# Allegro board FEMA_B40_V0P2.brd (continued)
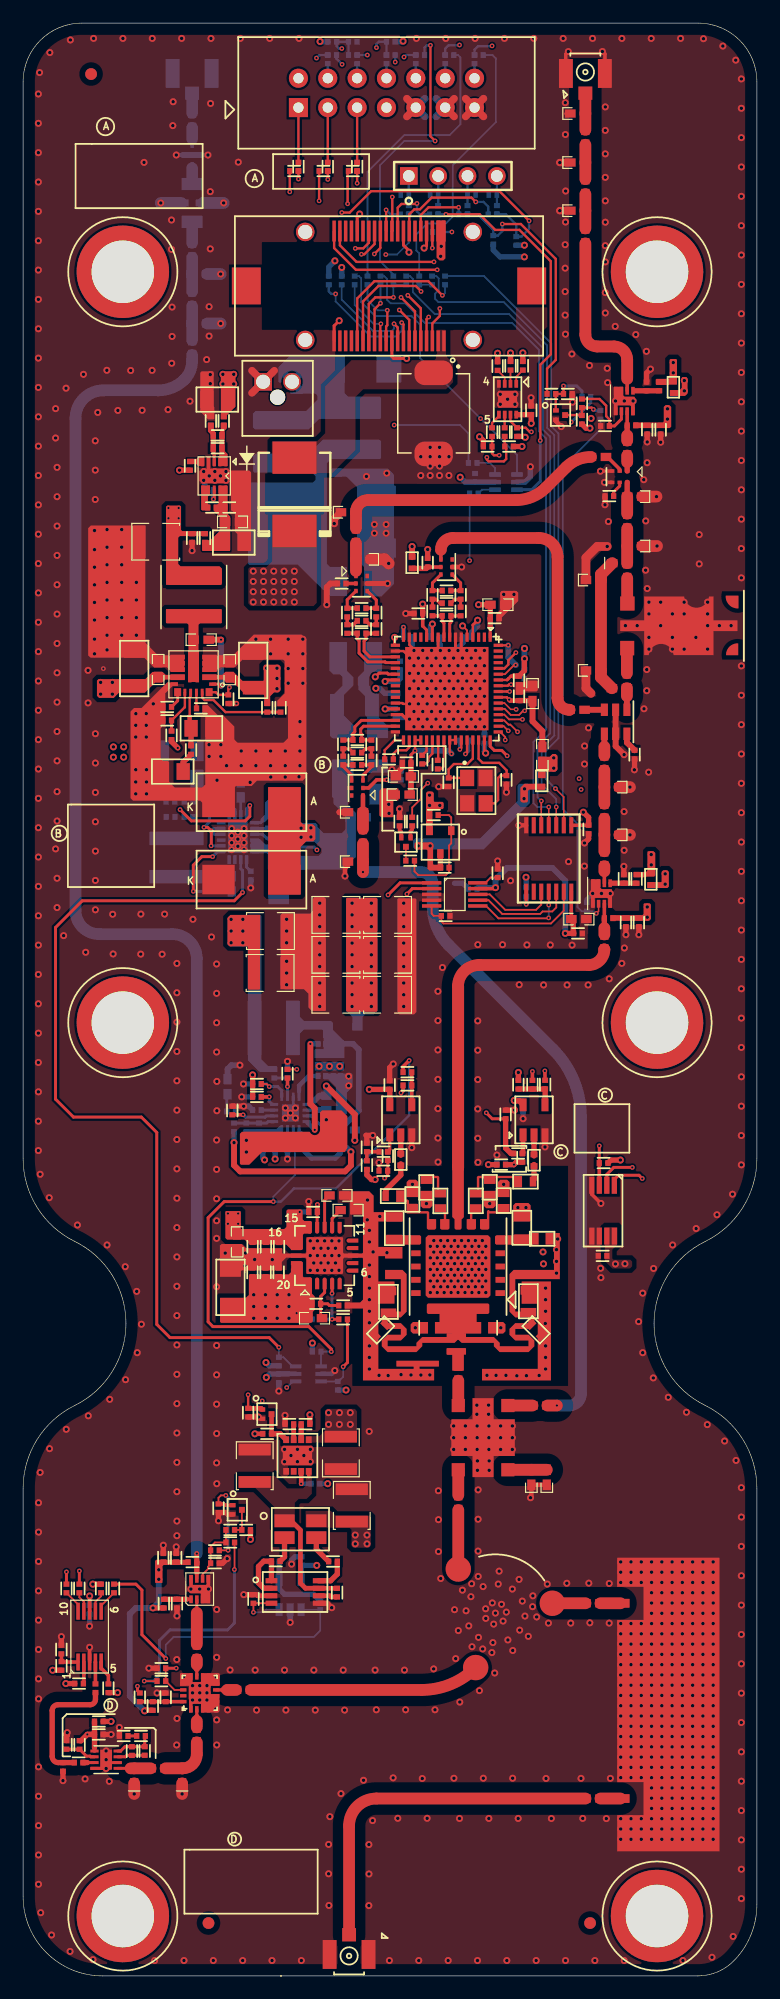
[diagram p0: board, top side]
## Placement (name value [footprint] x y rotation side) (continued)
U70  -  [BLM9D2327-26B]  37.64 61.39 180 top
U71  FPF2702MPX  [MLP3X3]  23.74 45.03 180 top
U72  LTC6102IMS8PBF  [MSOP_8N]  23.54 33.22 270 top
U73  OPA320AIDBVT  [SOT23_5N]  23.11 32.99 180 bottom
U74  AD5663RBRMZ-5  [10_LEAD_MSOP]  37.35 93.6 0 top
U78  ADS1015IDGST  [ADS1015IDGSR_0]  5.76 29.36 90 top
U79  M24128-DRMF3TG/K  [M24128_DRMF3TG_K]  41.93 136.45 270 top
U80  SN74LVC1G11DCK  [SOT65P210X110-6N]  24.68 52.1 180 bottom
U82  LM75AIMM/NOPB  [VSSOP_8N]  50.19 66.22 270 top
U84  MAX3379EEUD+  [TSSOP_14N]  45.49 96.7 270 top
U85  TS5A3166DBVR  [SOT23_5N]  44.21 74.09 0 top
U86  TS5A3166DBVR  [SOT23_5N]  32.68 74.09 0 top
U87  NC7WZ04P6X  [SC70_0P65P_6N]  41.79 129.28 180 bottom
U88  ADL5903  [SON50P200X200X60_9N]  7.18 18.71 180 top
U89  BFCN-2360+  [BFCN-2360]  14.63 153.43 90 bottom
ZD1  SMBJ18A  [DO-214AA]  29.2 139.04 180 bottom

## Library data of the parts
C11 C15 C16 C23 C26 = CAP_22uF_25V_1206_X6S
C13 C21 C22 C27 = CAP_0.1uF_50V_0603_X7R
C14 C17 C44 C49 C53 C60 C68 C89 C91 C128 C151 C166-C169 C178 C179 C249 C250 C257 = CAP_0.10uF_16V_0402_X7R
C18 C41 C42 C148 C155 C157 = CAP_4.7uF_25V_0603_X6S
C19 C52 = CAP_15000pF_50V_0603_X7R
C20 C54 C55 C57-C59 C61 C63-C67 C69 C77 C78 C80 C81 C104 C109 C122-C127 C278 = CAP_100pF_50V_0402_C0G
C28 = CAP_1500pF_50V_0402_X7R
C29-C40 C45-C48 C160-C162 = CAP_10uF_50V_1210_X7R
C43 = CAP_0.22uF_50V_0603_X7R
C50 = CAP_220pF_50V_0402_C0G
C51 = CAP_47000pF_25V_0402_X7R
C56 C62 C90 C101 C121 C131 = CAP_1uF_25V_0402_X6S
C70 C72 C86 C87 = CAP_10UF_35V_0805
C71 C88 = CAP_9.1pF_0603
C73 C74 C83 C85 = CAP_1UF_25V_0603
C75 C84 = CAP_1.8pF_0603
C76 = CAP_1.6pF_250V0603
C82 = CAP_0.5pF_0603
C129 C130 C132 C135 C145-C147 C149 C150 C152-C154 C156 C158 C159 = CAP_1000pF_50V_0402_X7R
C133 C134 C136 C142 = CAP_0.5pF_50V_0402
C137 = CAP_0.2pF_50V_0402_C0G
C138 C139 C143 = CAP_15pF_50V_0402_C0G
C140 C144 = CAP_8.2pF_50V_0402_C0G
C141 = CAP_0.9pF_50V-0402
C180 = CAP_2.2pF_0603_250V
C222 C223 = CAP_4.7UF_25V_1206
C224-C226 = CAP_0.1uF_0603_25V
C227 = CAP_47UF_1210
C228 = CAP_8.2nF_0402
C229 = CAP_18PF_0805
C230 = CAP_33nF_0805
C231 C241 = CAP_CER_10UF_0603_0
C232-C234 C236-C238 = CAP_CER_4.1uF_0402_25V
C235 C240 = CAP_CER_10nF_0603_16V
C239 = CAP_CER_22UF_16V_10%_X6S_0
C242-C248 = CAP NP
C255 C256 = CAP_100uF_25V_2917
C258-C262 = CAP_CER_100PF_0402_25V
C277 = CAP_CER_33pF_50V_5%_X7R_0402
CON2-CON4 = UFLR_0
D1 = STPS1045B_0
D2 = DIODE_40V_0
D3 = DIODE_40V_120mA
D4 = SESD0402X1BN-0010-098
D5 = CLA4606-085LF
D6 = BZX84C3V0/SOT_3
D11-D15 = SMDJ36CA
F1 F2 = MINISMDC260F/16-2
FB4 FB5 = FB_120E_6A_1206
FB6-FB10 FB14 FB15 = FB_33E_0402_3A
FB11 FB12 = FB_120E_0603_2A
FL1 = USB040C
J1 = FX23L-40-S-0.5SV10
J2 = 1053091102
J3 = 10056844-114LF
J4 = 87224-4
L2 = IND_3.3UH_8.1A_TBD
L4 = IND_5.6UH_7.2A_TBD
L5 L6 L11 = IND_18nH_400mA_0402
L7 = IND_22nH_350mA_0402
L8 L12 = IND_2.2nH_900mA_0402
L9 L13 = IND_5.6nH_650mA_0402
L10 = IND_8.2nH_550mA_0402
L14 L16 = IND_1.2nH_1A_0402
L15 = IND_5.6UH_TBD
L22 = ACM70V-701-2PL-TL00
L30 = IND_3.3nH_800ma_0402
MH1-MH6 = M_HOLE
Q1 = FDMC8030
Q2 Q3 Q5 Q6 = RYM002N05T2CL
Q4 = SI2333DS-T1-E3
R10 R12 R16 R18 R19 R24-R27 R34 R36 R37 R39 R40 R43-R52 R74 R76-R80 R85 R86 R88 R96 R99 R101-R103 R105-R107 R110-R118 R120-R122 R130 R133 R156 R185-R191 R238-R242 R246-R249 R254 R255 R257-R263 R270 R275-R278 R302 R304 R305 R353-R365 = RES_0E_0402_63mW
R13 = RES_115K_63mW_0402
R14 = RES_56K-63mW_0402
R15 = RES_634K_63mW_0402
R17 R42 R159 = RES_5.1K_0402_63mW
R20 R41 R63-R69 R72 R73 R95 R98 R104 R108 R131 R139 R256 R264 R266-R269 R271-R274 R295 R297 R352 = RES_10K_0402_63mW
R21-R23 R97 R123 R124 = RES_100K_0402_63mW
R28 R30 R33 = RES_8.2K_0402_63mW
R29 = RES_1M_Ohm_0402_63mW
R31 = RES_200K_63mW_0402
R32 = RES_12.7K_63mW_0402
R35 R53 = RES_49.9E_0402_63mW
R38 R100 R119 R350 R351 = RES_1.1K_0402_63mW
R54 = RES_0E_0603
R55 = RES_820E_0603
R56 R57 = RES_5.1E_0603
R58 R59 = RES_100E_0603_0.1W
R60 R279-R283 = RESISTOR
R62 = RES_10E_0603
R70 R71 = RES_4.7K_0402_63mW
R84 R284 = RES_0ohm_0402_63mW
R109 = RES_12.4K_0402_63mW
R125 = RES_50m_ohm_CS
R126 R127 = RES_30.1E_0402_63mW
R128 = RES_270K_0402_63mW
R129 = RES_470E_0402_63mW
R132 = RES_910E_0402_63mW
R208 = RES_84.5K_0402
R209 = RES_49.9K_0402
R210 R219 = RES_100K_0402_0
R211 = RES_11K_0402
R212 = RES_90.9K_0402
R213 = RES_6-04K_0402
R214 = RES_2.67K_0402
R215 = RES_29.4K_0402_0.063W
R216 = RES_105K_0402_0.063W
R217 = RES_10K_0402_10
R218 = RES_20K_0402_0
R220 = RES_0ohm_0402_2
R296 R298 = RES_10E_0402_63mW
R306-R308 = RES_100ohm_0402_63mW
R309 = RES_442ohm_0402_63mW
T1-T3 = BD2040J50100A00
U1 = LTC3786EUD#PBF
U3 = JCM2300T2400S6R
U4 = X3C19P2-30S
U10 = TPS7A9101DSKR_3
U13 = LTC3626IUDC#PBF
U19 = SC1894A-00C13
U21 U28 U60 = TQL9092
U22 = PE42823
U27 = NX3225SA-20.000M-STD-CRS-2
U29 = DC2337J5010AHF
U30 = XDL15-3-030S
U32 = BDCN-7-25+
U47 = TPS54424RNVR
U48 = TPS7A8300_0
U70 = BLM9D2327-26B
U71 = FPF2702MPX
U72 = LTC6102IMS8#PBF
U73 = OPA320AIDBVT
U74 = AD5663RBRMZ-5_0
U78 = ADS1015IDGSR_0
U79 = M24128-DRMF3TG/K
U80 = SN74LVC1G11DCK
U82 = LM75AIMM/NOPB
U84 = MAX3379EEUD+
U85 U86 = TS5A3166
U87 = NC7WZ04P6X
U88 = ADL5903
U89 = BFCN-2360+
ZD1 = SMBJ18A_1

## Footprints (pads in the part's own frame, mm; a bottom-side part is the same pattern mirrored in y, then rotated)
10_LEAD_MSOP
  rect 1.675x0.3 smd: 1(-1.995,1) 2(-1.995,0.5) 3(-1.995,0) 4(-1.995,-0.5) 5(-1.995,-1) 6(1.995,-1) 7(1.995,-0.5) 8(1.995,0) 9(1.995,0.5) 10(1.995,1)
21-0765A_K6499MK1B
  rect 0.8x0.28 smd: 1(-4.45,3.75) 2(-4.45,3.25) 3(-4.45,2.75) 4(-4.45,2.25) 5(-4.45,1.75) 6(-4.45,1.25) 7(-4.45,0.75) 8(-4.45,0.25) 9(-4.45,-0.25) 10(-4.45,-0.75) 11(-4.45,-1.25) 12(-4.45,-1.75) 13(-4.45,-2.25) 14(-4.45,-2.75) 15(-4.45,-3.25) 16(-4.45,-3.75) 33(4.45,-3.75) 34(4.45,-3.25) 35(4.45,-2.75) 36(4.45,-2.25) 37(4.45,-1.75) 38(4.45,-1.25) 39(4.45,-0.75) 40(4.45,-0.25) 41(4.45,0.25) 42(4.45,0.75) 43(4.45,1.25) 44(4.45,1.75) 45(4.45,2.25) 46(4.45,2.75) 47(4.45,3.25) 48(4.45,3.75)
  rect 0.28x0.8 smd: 17(-3.75,-4.45) 18(-3.25,-4.45) 19(-2.75,-4.45) 20(-2.25,-4.45) 21(-1.75,-4.45) 22(-1.25,-4.45) 23(-0.75,-4.45) 24(-0.25,-4.45) 25(0.25,-4.45) 26(0.75,-4.45) 27(1.25,-4.45) 28(1.75,-4.45) 29(2.25,-4.45) 30(2.75,-4.45) 31(3.25,-4.45) 32(3.75,-4.45) 49(3.75,4.45) 50(3.25,4.45) 51(2.75,4.45) 52(2.25,4.45) 53(1.75,4.45) 54(1.25,4.45) 55(0.75,4.45) 56(0.25,4.45) 57(-0.25,4.45) 58(-0.75,4.45) 59(-1.25,4.45) 60(-1.75,4.45) 61(-2.25,4.45) 62(-2.75,4.45) 63(-3.25,4.45) 64(-3.75,4.45)
  rect 7.214x7.214 smd: 65(0,0)
1053091102
  round 1.321 hole 1.321 unplated: (0,-1.34)
  rect 1.524x1.524 hole 1.219: 1(-1.25,0)
  round 1.524 hole 1.219: 2(1.25,0)
ADS1015IDGSR_0
  rect 1.473x0.305 smd: 1(-2.2,1) 2(-2.2,0.5) 3(-2.2,0) 4(-2.2,-0.5) 5(-2.2,-1) 6(2.2,-1) 7(2.2,-0.5) 8(2.2,0) 9(2.2,0.5) 10(2.2,1)
BD2040J50100A00
  rect 0.305x0.381 smd: 1(-0.49,0.65) 2(-0.49,0) 3(-0.49,-0.65) 4(0.49,-0.65) 5(0.49,0) 6(0.49,0.65)
BDCN-7-25_6N
  rect 0.61x1.07 smd: 1(-0.975,-1.038) 2(0,-1.038) 3(0.975,-1.038) 4(0.975,1.038) 5(0,1.038) 6(-0.975,1.038)
BERG_1X4_2P54
  rect 1.524x1.524 hole 1.016: 1(0,0)
  round 1.524 hole 1.016: 2(2.54,0) 3(5.08,0) 4(7.62,0)
BERG_2X7_2P54
  rect 1.651x1.651 hole 0.889: 1(-7.62,-1.27)
  round 1.651 hole 0.889: 2(-7.62,1.27) 3(-5.08,-1.27) 4(-5.08,1.27) 5(-2.54,-1.27) 6(-2.54,1.27) 7(0,-1.27) 8(0,1.27) 9(2.54,-1.27) 10(2.54,1.27) 11(5.08,-1.27) 12(5.08,1.27) 13(7.62,-1.27) 14(7.62,1.27)
BFCN-2360
  rect 1.067x1.829 smd: 1(-1.638,0) 3(1.638,0)
  rect 0.61x1.27 smd: 2(0,-0.94) 4(0,0.94)
BLM9D2327-26B
  rect 0.813x0.5 smd: 1(-3.65,2.3) 2(-3.65,1.15) 3(-3.65,0) 4(-3.65,-1.15) 5(-3.65,-2.3) 11(3.65,-2.3) 12(3.65,-1.15) 13(3.65,0) 14(3.65,1.15) 15(3.65,2.3)
  rect 0.5x0.813 smd: 6(-2.3,-3.65) 7(-1.15,-3.65) 8(0,-3.65) 9(1.15,-3.65) 10(2.3,-3.65) 16(2.3,3.65) 17(1.15,3.65) 18(0,3.65) 19(-1.15,3.65) 20(-2.3,3.65)
  rect 4.775x4.775 smd: 21(0,0)
C0402
  rect 0.457x0.508 smd: 1(-0.375,0) 2(0.375,0)
C0603
  rect 0.914x0.711 smd: 1(-0.65,0) 2(0.65,0)
C0805
  rect 1.15x1.45 smd: 1(-0.9,0) 2(0.9,0)
C1206
  rect 1.15x1.8 smd: 1(-1.5,0) 2(1.5,0)
C1210
  rect 1.016x2.794 smd: 1(-1.4,0) 2(1.4,0)
C2917
  rect 2.794x2.565 smd: 1(-2.85,0) 2(2.85,0)
CLA4606-085LF
  rect 0.559x0.305 smd: 1(-0.888,0) 3(0.888,0)
  rect 0.508x1.829 smd: 2(0,0)
D0603
  rect 0.914x0.711 smd: 1(-0.65,0) 2(0.65,0)
DC2337J5010AHF
  rect 0.305x0.381 smd: 1(-0.49,0.65) 2(-0.49,0) 3(-0.49,-0.65) 4(0.49,-0.65) 5(0.49,0) 6(0.49,0.65)
DFN98X58X50-2N_NXP
  rect 0.4x0.7 smd: 1(-0.35,0) 2(0.35,0)
DO-214AA
  rect 2.159x2.286 smd: A(-2.45,0) C(2.45,0)
DO-214AB
  custom 2.13x3.32 smd: 1(-3.51,0) 2(3.51,0)
DO_214SMC
  rect 2.794x3.81 smd: 1(-3.175,0) 2(3.175,0)
DPAK
  rect 1.651x3.048 smd: A_1(-2.286,-4.81) A_2(2.286,-4.81)
  rect 6.731x6.731 smd: K(0,3.08)
F0603
  rect 0.548x0.848 smd: 1(-0.65,0) 2(0.65,0)
F1812
  rect 1.27x3.81 smd: 1(-1.778,0) 2(1.778,0)
FB_0402
  rect 0.5x0.6 smd: 1(-0.5,0) 2(0.5,0)
FB_0603
  rect 0.914x0.711 smd: 1(-0.65,0) 2(0.65,0)
FB_1206
  rect 1.15x1.8 smd: 1(-1.5,0) 2(1.5,0)
FIL_ACM70V-701-2PL-TL00
  rect 2.5x1.5 smd: 1(-3.25,1.5) 2(-3.25,-1.5) 3(3.25,-1.5) 4(3.25,1.5)
FX23L-40-S-0P5SV10
  rect 2.5x3.2 smd: (-12.35,0) (12.35,0)
  rect 0.305x1.803 smd: 1(-4.75,4.752) 2(-4.25,4.752) 3(-3.75,4.752) 4(-3.25,4.752) 5(-2.75,4.752) 6(-2.25,4.752) 7(-1.75,4.752) 8(-1.25,4.752) 9(-0.75,4.752) 10(-0.25,4.752) 11(0.25,4.752) 12(0.75,4.752) 13(1.25,4.752) 14(1.75,4.752) 15(2.25,4.752) 16(2.75,4.752) 17(3.25,4.752) 18(3.75,4.752) 19(4.25,4.752) 20(4.75,4.752) 21(-4.75,-4.752) 22(-4.25,-4.752) 23(-3.75,-4.752) 24(-3.25,-4.752) 25(-2.75,-4.752) 26(-2.25,-4.752) 27(-1.75,-4.752) 28(-1.25,-4.752) 29(-0.75,-4.752) 30(-0.25,-4.752) 31(0.25,-4.752) 32(0.75,-4.752) 33(1.25,-4.752) 34(1.75,-4.752) 35(2.25,-4.752) 36(2.75,-4.752) 37(3.25,-4.752) 38(3.75,-4.752) 39(4.25,-4.752) 40(4.75,-4.752)
  round 1.6 hole 1.219: PC1(-7.25,4.675) PC2(7.25,4.675) PC3(-7.25,-4.675) PC4(7.25,-4.675)
INDDFN528X548X510-2N
  rect 1.2x4.8 smd: 1(-1.655,0) 2(1.655,0)
L0402
  rect 0.457x0.508 smd: 1(-0.375,0) 2(0.375,0)
M0805
  rect 0.748x1.348 smd: 1(-0.95,0) 2(0.95,0)
M24128_DRMF3TG_K
  rect 0.68x0.32 smd: 1(-1.335,0.75) 2(-1.335,0.25) 3(-1.335,-0.25) 4(-1.335,-0.75) 5(1.335,-0.75) 6(1.335,-0.25) 7(1.335,0.25) 8(1.335,0.75)
  rect 1.45x1.65 smd: 9(0,0)
MLP3X3
  rect 0.508x0.584 smd: 1(-0.975,-1.37) 2(-0.325,-1.37) 3(0.325,-1.37) 4(0.975,-1.37) 5(0.975,1.37) 6(0.325,1.37) 7(-0.325,1.37) 8(-0.975,1.37)
  rect 2.54x1.702 smd: 9(0,0)
MSOP_8N
  rect 0.45x1.016 smd: 1(-0.975,-2.045) 2(-0.325,-2.045) 3(0.325,-2.045) 4(0.975,-2.045) 5(0.975,2.045) 6(0.325,2.045) 7(-0.325,2.045) 8(-0.975,2.045)
MTG370X800
  round 8 hole 5.41: 1(0,0)
OSCCC320X250X60
  rect 1.422x1.219 smd: 1(-1.1,-0.8) 2(1.1,-0.8) 3(1.1,0.8) 4(-1.1,0.8)
QFN50P400X300X80-21N
  rect 0.762x0.305 smd: 1(-1.445,1.25) 2(-1.445,0.75) 3(-1.445,0.25) 4(-1.445,-0.25) 5(-1.445,-0.75) 6(-1.445,-1.25) 11(1.445,-1.25) 12(1.445,-0.75) 13(1.445,-0.25) 14(1.445,0.25) 15(1.445,0.75) 16(1.445,1.25)
  rect 0.305x0.762 smd: 7(-0.75,-1.945) 8(-0.25,-1.945) 9(0.25,-1.945) 10(0.75,-1.945) 17(0.75,1.945) 18(0.25,1.945) 19(-0.25,1.945) 20(-0.75,1.945)
  rect 1.702x2.718 smd: 21(0,0)
QFN65P500X500X100-21N_A
  custom 1.016x0.356 smd: 1(-2.408,1.3) 2(-2.408,0.65) 3(-2.408,0) 4(-2.408,-0.65) 5(-2.408,-1.3) 11(2.408,-1.3) 12(2.408,-0.65) 13(2.408,0) 14(2.408,0.65) 15(2.408,1.3)
  custom 0.356x1.016 smd: 6(-1.3,-2.408) 7(-0.65,-2.408) 8(0,-2.408) 9(0.65,-2.408) 10(1.3,-2.408) 16(1.3,2.408) 17(0.65,2.408) 18(0,2.408) 19(-0.65,2.408) 20(-1.3,2.408)
  rect 3.15x3.15 smd: 21(0,0)
QFN-16_UD
  rect 0.711x0.254 smd: 1(-1.406,0.75) 2(-1.406,0.25) 3(-1.406,-0.25) 4(-1.406,-0.75) 9(1.406,-0.75) 10(1.406,-0.25) 11(1.406,0.25) 12(1.406,0.75)
  rect 0.254x0.711 smd: 5(-0.75,-1.406) 6(-0.25,-1.406) 7(0.25,-1.406) 8(0.75,-1.406) 13(0.75,1.406) 14(0.25,1.406) 15(-0.25,1.406) 16(-0.75,1.406)
  rect 1.473x1.473 smd: 17(0,0)
QFN-17N
  rect 0.55x0.3 smd: 1(-1.425,0.762) 2(-1.425,0.254) 3(-1.425,-0.254) 4(-1.425,-0.762) 9(1.425,-0.762) 10(1.425,-0.254) 11(1.425,0.254) 12(1.425,0.762)
  rect 0.3x0.55 smd: 5(-0.762,-1.425) 6(-0.254,-1.425) 7(0.254,-1.425) 8(0.762,-1.425) 13(0.762,1.425) 14(0.254,1.425) 15(-0.254,1.425) 16(-0.762,1.425)
  rect 1.85x1.85 smd: 17(0,0)
R0402
  rect 0.457x0.508 smd: 1(-0.375,0) 2(0.375,0)
R0603
  rect 0.914x0.711 smd: 1(-0.65,0) 2(0.65,0)
RCPT_STR_50
  rect 1.2x1.15 smd: 1(0,-1.832)
  rect 1.2x2.5 smd: 2(-1.685,-0.127) 3(1.685,-0.127)
RNV0018B
  rect 0.6x0.3 smd: 1(-1.65,0.95) 12(1.65,0.95)
  rect 1.25x0.5 smd: 2(-1.375,0.35) 11(1.375,0.35)
  rect 1.25x0.4 smd: 3(-1.375,-0.3) 4(-1.375,-0.85) 5(-1.375,-1.4) 8(1.375,-1.4) 9(1.375,-0.85) 10(1.375,-0.3)
  rect 0.3x2.8 smd: 6(-0.325,-0.605) 7(0.325,-0.605)
  rect 0.6x0.7 smd: 13(1.375,1.65) 18(-1.35,1.65)
  rect 0.25x0.6 smd: 14(0.75,1.65) 15(0.25,1.65) 16(-0.25,1.65) 17(-0.75,1.65)
RSENSE1206
  rect 1.75x1.1 smd: 1(-1.376,0.734) 2(1.376,0.734) 3(1.376,-0.734) 4(-1.376,-0.734)
RYM002N05T2CL
  rect 0.381x0.508 smd: 1(-0.4,-0.4) 2(0.4,-0.4)
  rect 0.508x0.508 smd: 3(0,0.4)
SC70_0P65P_6N
  rect 1.016x0.406 smd: 1(-0.95,0.658) 2(-0.95,0) 3(-0.95,-0.658) 4(0.95,-0.658) 5(0.95,0) 6(0.95,0.658)
SKYFR-001390
  round 2.2 smd: 1(-4.33,2.5) 2(4.33,2.5) 3(0,-5)
SOD323
  rect 0.864x0.61 smd: A(-1.282,0) K(1.282,0)
SON50P200X200X60_9N
  rect 0.711x0.254 smd: 1(-1.005,0.75) 2(-1.005,0.25) 3(-1.005,-0.25) 4(-1.005,-0.75) 5(1.005,-0.75) 6(1.005,-0.25) 7(1.005,0.25) 8(1.005,0.75)
  rect 1.016x1.727 smd: 9(0,0)
SOT23-3N
  rect 0.559x0.762 smd: 1(-0.94,-0.989) 2(0.94,-0.989) 3(0,0.989)
SOT23_5N
  rect 0.61x1.118 smd: 1(-0.95,-1.3) 2(0,-1.3) 3(0.95,-1.3) 4(0.95,1.3) 5(-0.95,1.3)
SOT65P210X110-6N
  rect 1x0.356 smd: 1(-1.1,0.65) 2(-1.1,0) 3(-1.1,-0.65) 4(1.1,-0.65) 5(1.1,0) 6(1.1,0.65)
TQL9092
  rect 0.673x0.305 smd: 1(-0.885,0.75) 2(-0.885,0.25) 3(-0.885,-0.25) 4(-0.885,-0.75) 5(0.885,-0.75) 6(0.885,-0.25) 7(0.885,0.25) 8(0.885,0.75)
  rect 0.711x1.6 smd: 9(0,0)
TRANS_FDMC8030
  rect 0.52x0.45 smd: 1(-1.39,0.975) 2(-1.39,0.325) 3(-1.39,-0.325) 4(-1.39,-0.975) 5(1.39,-0.975) 6(1.39,-0.325) 7(1.39,0.325) 8(1.39,0.975)
  rect 0.75x2.52 smd: 9(0.55,0) 10(-0.55,0)
TSSOP_14N
  rect 1.4x0.35 smd: 1(-2.875,1.95) 2(-2.875,1.3) 3(-2.875,0.65) 4(-2.875,0) 5(-2.875,-0.65) 6(-2.875,-1.3) 7(-2.875,-1.95) 8(2.875,-1.95) 9(2.875,-1.3) 10(2.875,-0.65) 11(2.875,0) 12(2.875,0.65) 13(2.875,1.3) 14(2.875,1.95)
unnamed
  round 1.016 smd: (0,0)
USB040C
  rect 0.762x1.575 smd: IN(16.9,0) OUT(0,0)
VSSOP_8N
  rect 1.473x0.457 smd: 1(-2.2,0.973) 2(-2.2,0.323) 3(-2.2,-0.327) 4(-2.2,-0.977) 5(2.2,-0.977) 6(2.2,-0.327) 7(2.2,0.323) 8(2.2,0.973)
WSON_0P5P_2P5X2P5X0P8_10N
  rect 0.254x0.635 smd: 1(-1,-1.15) 2(-0.5,-1.15) 3(0,-1.15) 4(0.5,-1.15) 5(1,-1.15) 6(1,1.15) 7(0.5,1.15) 8(0,1.15) 9(-0.5,1.15) 10(-1,1.15)
  rect 2.032x1.27 smd: 11(0,0)
X3C19P2-30S
  rect 1.14x1.14 smd: 1(-2.78,2.145) 2(2.78,2.145) 3(2.78,-2.145) 4(-2.78,-2.145)
  custom 6.833x5.486 smd: 5(0,0)
XAL5030-332MEC
  rect 1.168x4.699 smd: 1(-1.651,0) 2(1.651,0)
XAL5050-562MEC
  rect 1.168x4.699 smd: 1(-1.651,0) 2(1.651,0)
XDL15-3-030S
  rect 1.251x1.219 smd: 1(-4.496,1.93) 5(-0.193,0.051)
  rect 0.356x0.66 smd: 2(4.724,2.159) 3(4.775,-2.108)
  rect 1.219x1.251 smd: 4(-4.511,-1.93)

## Nets
1.8V_PGOOD: R23.2 U13.18 U80.6
1V8V_ENABLE: J1.33 R12.1
5V_LDO_EN: R215.2 R217.1 U48.14
5V_LDO_PG: R21.2 R220.2 U80.3
12V_DCDC_PGOOD: R210.2 U47.18
28V_VDS_ENABLE: J1.34 R18.1
GND: C11.2 C15.2 C16.2 C17.2 C18.2 C19.2 C20.2 C21.2 C26.2 C27.2 C28.2 C29.2 C30.2 C31.2 C32.2 C33.2 C34.2 C35.2 C36.2 C37.2 C38.2 C39.2 C40.2 C41.2 C42.2 C44.2 C45.2 C46.2 C47.2 C48.2 C49.2 C50.2 C52.2 C54.2 C55.2 C56.2 C60.2 C62.2 C63.2 C64.2 C68.2 C70.1 C71.1 C72.2 C73.2 C74.2 C75.1 C83.2 C84.2 C85.2 C86.2 C87.2 C88.2 C89.2 C90.2 C91.2 C101.2 C121.2 C122.2 C123.2 C128.2 C131.2 C138.2 C139.2 C140.1 C143.2 C144.1 C145.2 C146.2 C147.2 C148.2 C149.2 C150.2 C152.2 C153.2 C154.2 C155.2 C156.2 C157.2 C158.2 C159.2 C160.2 C161.2 C162.2 C167.2 C168.2 C169.2 C178.2 C179.2 C180.2 C222.2 C223.2 C224.2 C225.2 C227.2 C228.2 C229.2 C230.2 C231.2 C232.2 C233.2 C234.2 C236.2 C237.2 C238.2 C239.2 C240.2 C241.2 C242.2 C243.2 C244.2 C245.2 C247.2 C248.2 C249.2 C250.2 C255.2 C256.2 C257.2 C260.1 C261.1 C262.1 C277.2 CON2.2 CON2.3 CON3.2 CON3.3 CON4.2 CON4.3 D1.A_1 D1.A_2 D4.1 D5.2(CATHODE) D11.2 D12.2 D13.2 D14.2 D15.2 FB5.2 J1.10 J1.20 J1.24 J1.28 J1.36 J2.1 J3.9 J3.11 J3.13 L22.2 Q1.5 Q1.6 Q1.7(S2_3) Q2.2(S) Q3.2(S) Q6.2(S) R14.2 R15.2 R16.2 R20.2 R25.1 R27.2 R32.2 R35.2 R36.1 R37.1 R41.2 R49.1 R50.1 R51.1 R52.1 R53.2 R58.2 R59.2 R72.2 R86.1 R88.1 R97.2 R101.1 R102.1 R104.2 R106.1 R107.1 R109.2 R117.1 R118.1 R122.1 R128.2 R131.2 R132.2 R133.2 R139.2 R211.2 R212.2 R213.2 R217.2 R218.2 R272.2 R274.2 R282.2 R295.2 R297.2 R308.1 R364.1 R365.1 T1.5 T2.5 T3.5 U1.11 U1.17 U4.5 U10.4 U10.11 U13.6 U13.21 U19.6 U19.7 U19.10 U19.15 U19.18 U19.21 U19.25 U19.27 U19.29 U19.32(GND_7) U19.65 U21.3 U21.4 U21.5 U21.8 U21.9 U22.1 U22.3 U22.4 U22.5 U22.6 U22.8 U22.9 U22.10 U22.12 U22.13 U22.17 U27.2 U27.4 U28.3 U28.4 U28.5 U28.8 U28.9 U29.3 U29.4 U30.5 U32.2 U32.5 U47.3 U47.4 U47.5 U47.8 U47.9 U47.10 U47.12 U48.8 U48.18 U48.21(THERMAL PAD) U60.3 U60.4 U60.5 U60.8 U60.9 U70.21 U71.5 U71.9 U72.3 U72.5 U73.2(V-) U74.3 U74.4 U78.3 U79.4 U79.9 U80.2 U82.4 U82.5 U82.6 U84.7 U85.3 U86.3 U87.2 U88.2 U88.8 U88.9 U89.2 U89.4 ZD1.A
VCC_1V8: C14.1 C15.1 C16.1 L2.2 Q4.2(S) R13.1 R119.1 U13.3(VON)
VCC_3.3V: C44.1 C89.1 C90.1 C91.1 C167.1 C179.1 C247.1 C249.1 C250.1 C257.1 FB10.1 J1.21 J1.22 R22.1 R23.1 R38.1 R63.1 R64.1 R65.1 R66.1 R67.1 R68.1 R69.1 R70.1 R71.1 R73.1 R98.1 R100.1 R123.1 R124.1 R129.1 R264.1 R266.1 R267.1 R268.1 R269.1 R271.1 R273.1 R279.2 R283.2 R284.2 R352.1 U73.5 U78.8(VDD) U79.8 U80.5 U82.7 U82.8(VS) U84.1(VL) U85.5(V+) U86.5(V+) U87.5
VCC_5V: C121.1 C122.1 C168.1 C178.1 C180.1 C235.1 C236.1 C237.1 C238.1 C239.1 FB6.2 FB7.2 L7.1 R21.1 R84.2 R159.1 R216.1 R219.1 U48.1 U48.19 U48.20 U74.9 U84.14
VCC_5V5: C227.1 C231.1 C232.1 C233.1 C234.1 C242.1 L15.2 R60.1 R209.1 R210.1 R215.1 U48.15 U48.16 U48.17
VCC_12V: C11.1 C26.1 C27.1 C42.1 C45.1 C46.1 C47.1 C48.1 C51.1 C222.1 C223.1 C224.1 C225.1 C255.1 C256.1 D6.2(CATHODE) FB4.2 L4.2 R10.1 R19.2 R29.1 R208.1 U1.4 U1.14 U13.14 U13.15 U13.16 U47.2 U47.11(VIN_2)
VCC_12VDC: F1.1 F2.1 J2.2 ZD1.C
VCC_DRV_5V: C62.1 C63.1 FB7.1 L6.1 R42.1
VCC_PA: C29.1 C30.1 C31.1 C32.1 C33.1 C34.1 C35.1 C36.1 C37.1 C38.1 C39.1 C40.1 C53.2 C160.1 D3.K Q1.9 R31.2 U71.1
VCC_RFPAL_1V8: C151.2 FB9.1 Q4.3
VDD_LIN_1.8V: C145.1 C146.1 C147.1 C150.1 C155.1 C156.1 FB8.2 FB9.2 FB11.1 FB12.1 U19.1 U19.4 U19.11 U19.12 U19.22 U19.47
VDD_LIN_3.3V: C152.1 C153.1 C154.1 C159.1 FB10.2 R108.1 R256.1 U19.5 U19.17 U19.23 U19.28 U19.58
3P3V_REV_PD: C261.2 C262.2 R284.1 R307.2 U88.5
ANT_CIR_OUT: C109.2 U3.3
ANT_REF_PWR_DET_OUT: C277.1 R74.1 R306.2
CH1_TRX_CNTRL: R95.2 R96.2 R97.1 U22.14
CH1_VCC_5V_SWIT: C101.1 R84.1 R95.1 U22.16(VDD)
DAC_CLR: R139.1 U74.5 U84.13
DAC_CLR_CLR: R270.1 U84.2
FREQ_R: R25.2 R26.2 U1.9
I2C_SCL: J1.40 R70.2 R76.2 R80.2 U82.2
I2C_SDA: J1.39 R71.2 R77.2 R79.2 U82.1
INT_VCC: C41.1 D2.A R24.1 R26.1 U1.13
LDO_5V_PG: R219.2 R220.1 U48.4
LIN2_RST: C131.1 J1.7 R108.2 R254.1
LIN2_RST_R: R254.2 R255.2 U19.49
LIN2_STATO: J1.3 R238.2
LIN2_STATO_R: R238.1 R242.1 U19.57
LIN2_TESTSEL: J1.5 R240.2
LIN2_TESTSEL_R: R240.1 R262.1 U19.60
LIN2_TXENB: J1.6 R241.2
LIN2_TXENB_R: R241.1 R263.1 U19.56
LIN2_WDTEN: J1.4 R239.2
LIN2_WDTEN_R: R239.1 R261.1 U19.50
PA_CIR_OUT: C278.2 R105.2 R107.2
PA_CIR_OUT_N: L8.2 L10.1 U19.31
PA_CIR_OUT_P: L10.2 L12.2 U19.30
PA_COUP_IN: C61.1 R116.2 R118.2
PA_COUP_IN_C: C61.2 U29.2(ISOLATED)
PA_COUP_IN_N: L14.2 L30.1 U19.20
PA_COUP_IN_P: L16.2 L30.2 U19.19
PA_CS_OUT: R78.1 R130.2 U73.1
PA_ENABLE: R296.1 R298.1 R359.1 R360.2
PA_RFPAL_OUT_N: L11.1 R111.1 U19.9
PA_RFPAL_OUT_P: L11.2 R113.1 U19.8
PA_TEMP_SNS: J1.30 R65.2 U82.3
PA_VDS_EN: J1.8 Q6.1 R131.1 R266.2
PA_VDS_PGOOD: R22.2 R277.1 R278.1 U1.2 U80.1
PA_VGS_C: FB14.2 R55.1
PA_VGS_CARRIER: R295.1 R351.1 U74.2
PA_VGS_P: FB15.2 R62.1
PA_VGS_PEAK: R297.1 R350.1 U74.1
PSU_PGOOD: J1.32 U80.4(Y)
RF_DET_REV_OUT: R306.1 U88.7(VRMS)
RX_ATTN_IN: C126.1 R99.2 R102.2
RX_DUPL_OUT: C127.2 U22.11
RX_LNA_EN: C128.1 R103.2 R355.2 R356.2 U21.6
RX_LNA_OUT: C126.2 L7.2 U21.7
RX_RF_ENB: Q3.1 R104.1 R269.2 R356.1 R358.1 R363.2
SPI_APD_EN: R189.1 U87.1
SPI_DAC_CLK: U74.7 U84.12
SPI_DAC_EN: U74.6 U84.11
SPI_DAC_MOSI: U74.8 U84.10
SPI_ENABLE: R248.1 R305.1
SPI_ENABLE_LVL: R191.1 U84.4
SPI_ENABLE_R: R248.2 R256.2 R257.2 U19.52
SPI_MISO: R190.1 R249.1
SPI_MISO_R: R249.2 R259.2 U19.54
SPI_MOSI: R186.1 R247.1
SPI_MOSI_LVL: R188.1 U84.5
SPI_MOSI_R: R247.2 R258.2 U19.53
SPI_SCLK: R185.1 R246.1
SPI_SCLK_LVL: R187.1 U84.3
SPI_SCLK_R: R246.2 R260.2 U19.51
TRX_SWIT_CNTRL: R96.1 R304.1 R353.1 R355.1
TRX_SWIT_CNTRL_LVL: R302.1 R361.2 U87.3
TX_ATTN_IN: C58.1 CON2.1 D4.2
TX_ATTN_IN_C: C58.2 R34.1 R36.2
TX_ATTN_OUT: C59.2 U28.2
TX_ATTN_OUT_C: C59.1 R34.2 R37.2
TX_BPF_IN: C80.1 U3.2
TX_CPLLR_OUT: R48.2 R50.2 U29.6
TX_CPLR2_OUT: C67.2 U32.4(OUT)
TX_CPLR_3_IN: C78.2 U4.2
TX_CPLR_3_OUT: C77.1 U4.1
TX_CPLR_ATTN: C67.1 R45.1 R52.2
TX_CPLR_PORT: R35.1 U29.5
TX_DELY_BYPAS: R43.1 R44.2 R364.2 R365.2
TX_DELY_IN: R44.1 R47.2 R48.1 R49.2
TX_DELY_IN_R: R47.1 U30.1
TX_DELY_OUT: R46.2 U30.4
TX_DELY_OUT_R: R43.2 R46.1 U32.1
TX_DRI_EN: C68.1 R40.2 U60.6
TX_DRI_VBIAS: C64.1 R42.2 U60.1(VBIAS)
TX_DRIVER_IN: C66.2 R45.2 R51.2
TX_DRIVER_IN_C: C66.1 U60.2
TX_DRIVER_OUT: C65.2 L6.2 U60.7
TX_PA_IN: C65.1 U70.8
TX_PA_RFPAL_OUT: C69.1 T1.1(UNBAL)
TX_PA_RFPAL_OUT_C: C69.2 U32.3
TX_PREDRI_OUT: C57.1 L5.2 U28.7
TX_PREDRI_OUT_C: C57.2 U29.1
TX_PREDRI_VBIAS: C54.1 R33.1 U28.1(VBIAS)
TX_PREDRI_VOUT: C55.1 C56.1 FB6.1 L5.1 R33.2
TX_PREDRV_EN: C60.1 R39.2 U28.6
TX_RF_ENB: R268.2 R354.1 R357.1 R362.2
TX_RFPAL_ENB: J1.9 R121.1 R267.2
VDS_PA1: C70.2 C71.2 C75.2 C76.1 C82.1 C84.1 C87.1 C88.1 C162.1 R54.1 R125.2(V_2) U70.16 U70.17 U70.18 U70.19 U70.20
VGS_CARR_FIXED: R271.2 R272.1 R275.1
VGS_PEAK_FIXED: R273.2 R274.1 R276.1
WP_CAL: R67.2 R156.1 U79.7(W\C\)
N07470: R116.1 R117.2 T3.1(UNBAL)
N07551: R105.1 R106.2 T2.1(UNBAL)
N23833: C134.1 L8.1 R110.2
N23837: C134.2 L12.1 R112.2
N23925: C133.2 R112.1 T2.4
N23932: C133.1 R110.1 T2.3
N24699: C141.1 R114.1 T3.3
N24715: C142.1 L14.1 R114.2
N24817: C141.2 R115.1 T3.4
N24829: C142.2 L16.1 R115.2
N25714: C136.1 L9.1 R111.2
N25726: C137.1 L9.2 T1.3
N25808: C136.2 L13.1 R113.2
N25852: C137.2 L13.2 T1.4
N26945: C138.1 T2.2
N27022: C143.1 T3.2
N27102: C139.1 FB8.1 T1.2
N28007: C148.1 C149.1 FB11.2 U19.35 U19.36 U19.41 U19.42
N30087: C157.1 C158.1 FB12.2 U19.48 U19.55 U19.59 U19.64
N33948: C129.1 U19.34
N33966: C129.2 U19.33
N34028: C130.1 U19.38
N34061: C130.2 U19.37
N34239: C132.1 U19.40
N34276: C132.2 U19.39
N34612: C135.2 U19.43
N34630: C135.1 U19.44
N36138: R109.1 U19.16
N112138: R10.2 R12.2 U13.13
N112335: C18.1 U13.2 U13.4 U13.5 U13.7 U13.8
N116565: R16.1 U13.17
N116705: C19.1 U13.9
N116894: C28.1 R17.2
N116898: C20.1 R17.1 U13.11
N120203: C13.1 U13.1
N120221: C13.2 L2.1 U13.19 U13.20
N123407: R15.1 U13.12
N123470: C14.2 C17.1 R13.2 R14.1 U13.10
N170609: R18.2 R19.1 R20.1 U1.10
N170847: C43.1 D2.K U1.15
N170891: Q1.1 U1.16
N170899: C43.2 D3.A L4.1 Q1.2 Q1.3 Q1.4 Q1.10 R30.2 U1.1
N171033: R24.2 R27.1 U1.8
N171199: Q1.8 U1.12
N171345: C49.1 U1.7
N171439: C50.1 R28.1 U1.6
N171447: C51.2 R29.2 R30.1 U1.5
N171517: C53.1 R31.1 R32.1 U1.3(VFB)
N171733: C52.1 R28.2
N172938: C21.1 D1.K F1.2 F2.2 L22.1
N173072: C22.1 C23.1 FB4.1 L22.4
N173370: C22.2 C23.2 FB5.1 L22.3
N195056: R123.2 U71.2
N195132: R124.2 U71.7
N195275: R128.1 U71.3
N195418: C161.1 C166.2 R125.1 U71.8(VOUT) U72.7
N195715: Q6.3 R129.2 U71.4
N195937: R126.2 U72.1 U72.2
N195969: R127.2 U72.8
N196453: C166.1 U72.6(VREG)
N196880: R132.1 U72.4 U73.3
N202980: R130.1 R133.1 U73.4
N205704: C169.1 U74.10(VREFIN/OUT)
N273978: C144.2 U19.46 U27.3
N274053: C140.2 U19.45 U27.1
N282364: Q5.3 R120.1
N282416: Q5.2(S) R122.2
N283217: Q5.1 R121.2
N283375: C151.1 Q4.1 R119.2 R120.2
N5466295: C123.1 R159.2 U21.1(VBIAS)
N5466645: C124.1 CON4.1
N5466649: C124.2 D5.3
N5466653: D5.1 U89.3(RFOUT)
N5466657: C125.2 R99.1 R101.2
N5466735: C127.1 U21.2
N5466939: Q3.3 R100.2 R103.1
N5467666: C104.1 R85.2 R88.2
N5467670: C104.2 U22.2
N5467824: C109.1 U22.7
N5527142: R85.1 R86.2 U88.1
N5527732: C77.2 U3.1(TX)
N5527740: C80.2 FL1.IN
N5527744: C81.1 FL1.OUT
N5527748: C81.2 CON3.1
N5534734: Q2.3 R38.2 R39.1 R40.1
N5534850: Q2.1 R41.1 R353.2 R354.2
N5535716: R53.1 U32.6
N5543796: C73.1 U70.6
N5543936: C74.1 R55.2 R56.1
N5544041: R56.2 U70.7
N5544247: R57.2 U70.9
N5544287: C83.1 R57.1
N5544484: C85.1 R62.2 U70.10
N5544784: C86.1 U70.11(VSD1)
N5544890: C72.1 R54.2 U70.5
N5546966: C76.2 C78.1 C82.2
N5569429: R63.2 U78.2
N5569457: R64.2 R72.1 U78.1
N5569477: R66.2 U78.7
N5569577: R74.2 U78.4
N5569703: R78.2 U78.6
N5569707: R79.1 U78.9
N5569753: R80.1 U78.10
N5570637: R73.2 U79.3
N5570641: R68.2 U79.2
N5570645: R69.2 U79.1
N5570737: R76.1 U79.6
N5570789: R77.1 U79.5
N5619353: C226.1 U47.1
N5619357: C226.2 L15.1 U47.6 U47.7
N5619493: R208.2 R211.1 U47.17
N5619565: R209.2 R213.1 U47.14
N5619597: C228.1 U47.16
N5619609: R212.1 U47.13
N5619663: C229.1 R214.1 U47.15
N5619881: C230.1 R214.2
N5628772: C235.2 R216.2 R218.1 U48.3
N5628870: C241.1 U48.12
N5628894: C240.1 U48.13
N5630487: C246.1 R279.1 R280.1 U10.1 U10.2
N5630581: C243.1 C244.1 C245.1 R60.2 R281.1 U10.9 U10.10
N5630797: C246.2 R280.2 R282.1 U10.3
N5630845: R281.2 U10.6(SS_CTRL) U10.7
N5630913: C248.1 U10.8
N5630921: R283.1 U10.5
N5656059: R275.2 R351.2 U85.1
N5656293: R98.2 R277.2 R296.2 U85.4
N5656421: FB14.1 U85.2
N5656519: R276.2 R350.2 U86.1
N5656779: R278.2 R298.2 U86.4
N5656827: FB15.1 U86.2
N5657799: R264.2 U84.8
N5658926: D6.1 D11.1 J1.1 J1.2
N5659250: J1.23 R156.2
N5659518: J1.11 R190.2
N5659570: J1.12 R189.2
N5659622: J1.13 R191.2
N5659674: J1.14 R186.2 R188.2
N5659690: J1.15 R185.2 R187.2
N5659746: J1.16 R270.2
N5668177: J1.29 R302.2
N5793731: R304.2 U87.4(Y2)
N5793842: R305.2 U87.6
N5811222: R307.1 R308.2 U88.6
N5811230: C258.2 C259.2 U88.3
N5811336: C258.1 C259.1 R309.1 U88.4
N5811416: C260.2 R309.2
N5821082: J3.1 R261.2
N5821170: J3.3 R262.2
N5821174: J3.4 R242.2
N5821242: J3.5 R263.2
N5821246: J3.6 R255.1
N5821286: J3.8 R257.1
N5821330: J3.10 R258.1
N5821374: J3.12 R259.1
N5821418: J3.14 R260.1
N5837336: R352.2 U78.5
N5845175: J1.25 R357.2
N5845225: J1.27 R358.2
N5845299: J1.31 R359.2
N5845412: D14.1 J4.2 R361.1
N5845526: D15.1 J4.1 R360.1
N5845531: D13.1 J4.3 R362.1
N5845540: D12.1 J4.4 R363.1
N5888842: C125.1 U89.1
N5947085: R58.1 R59.1 U4.4
N5947309: C278.1 U4.3(ISOLATED)
N6014828: R125.4 R126.1